# KiCad board Marble.kicad_pcb (continued)
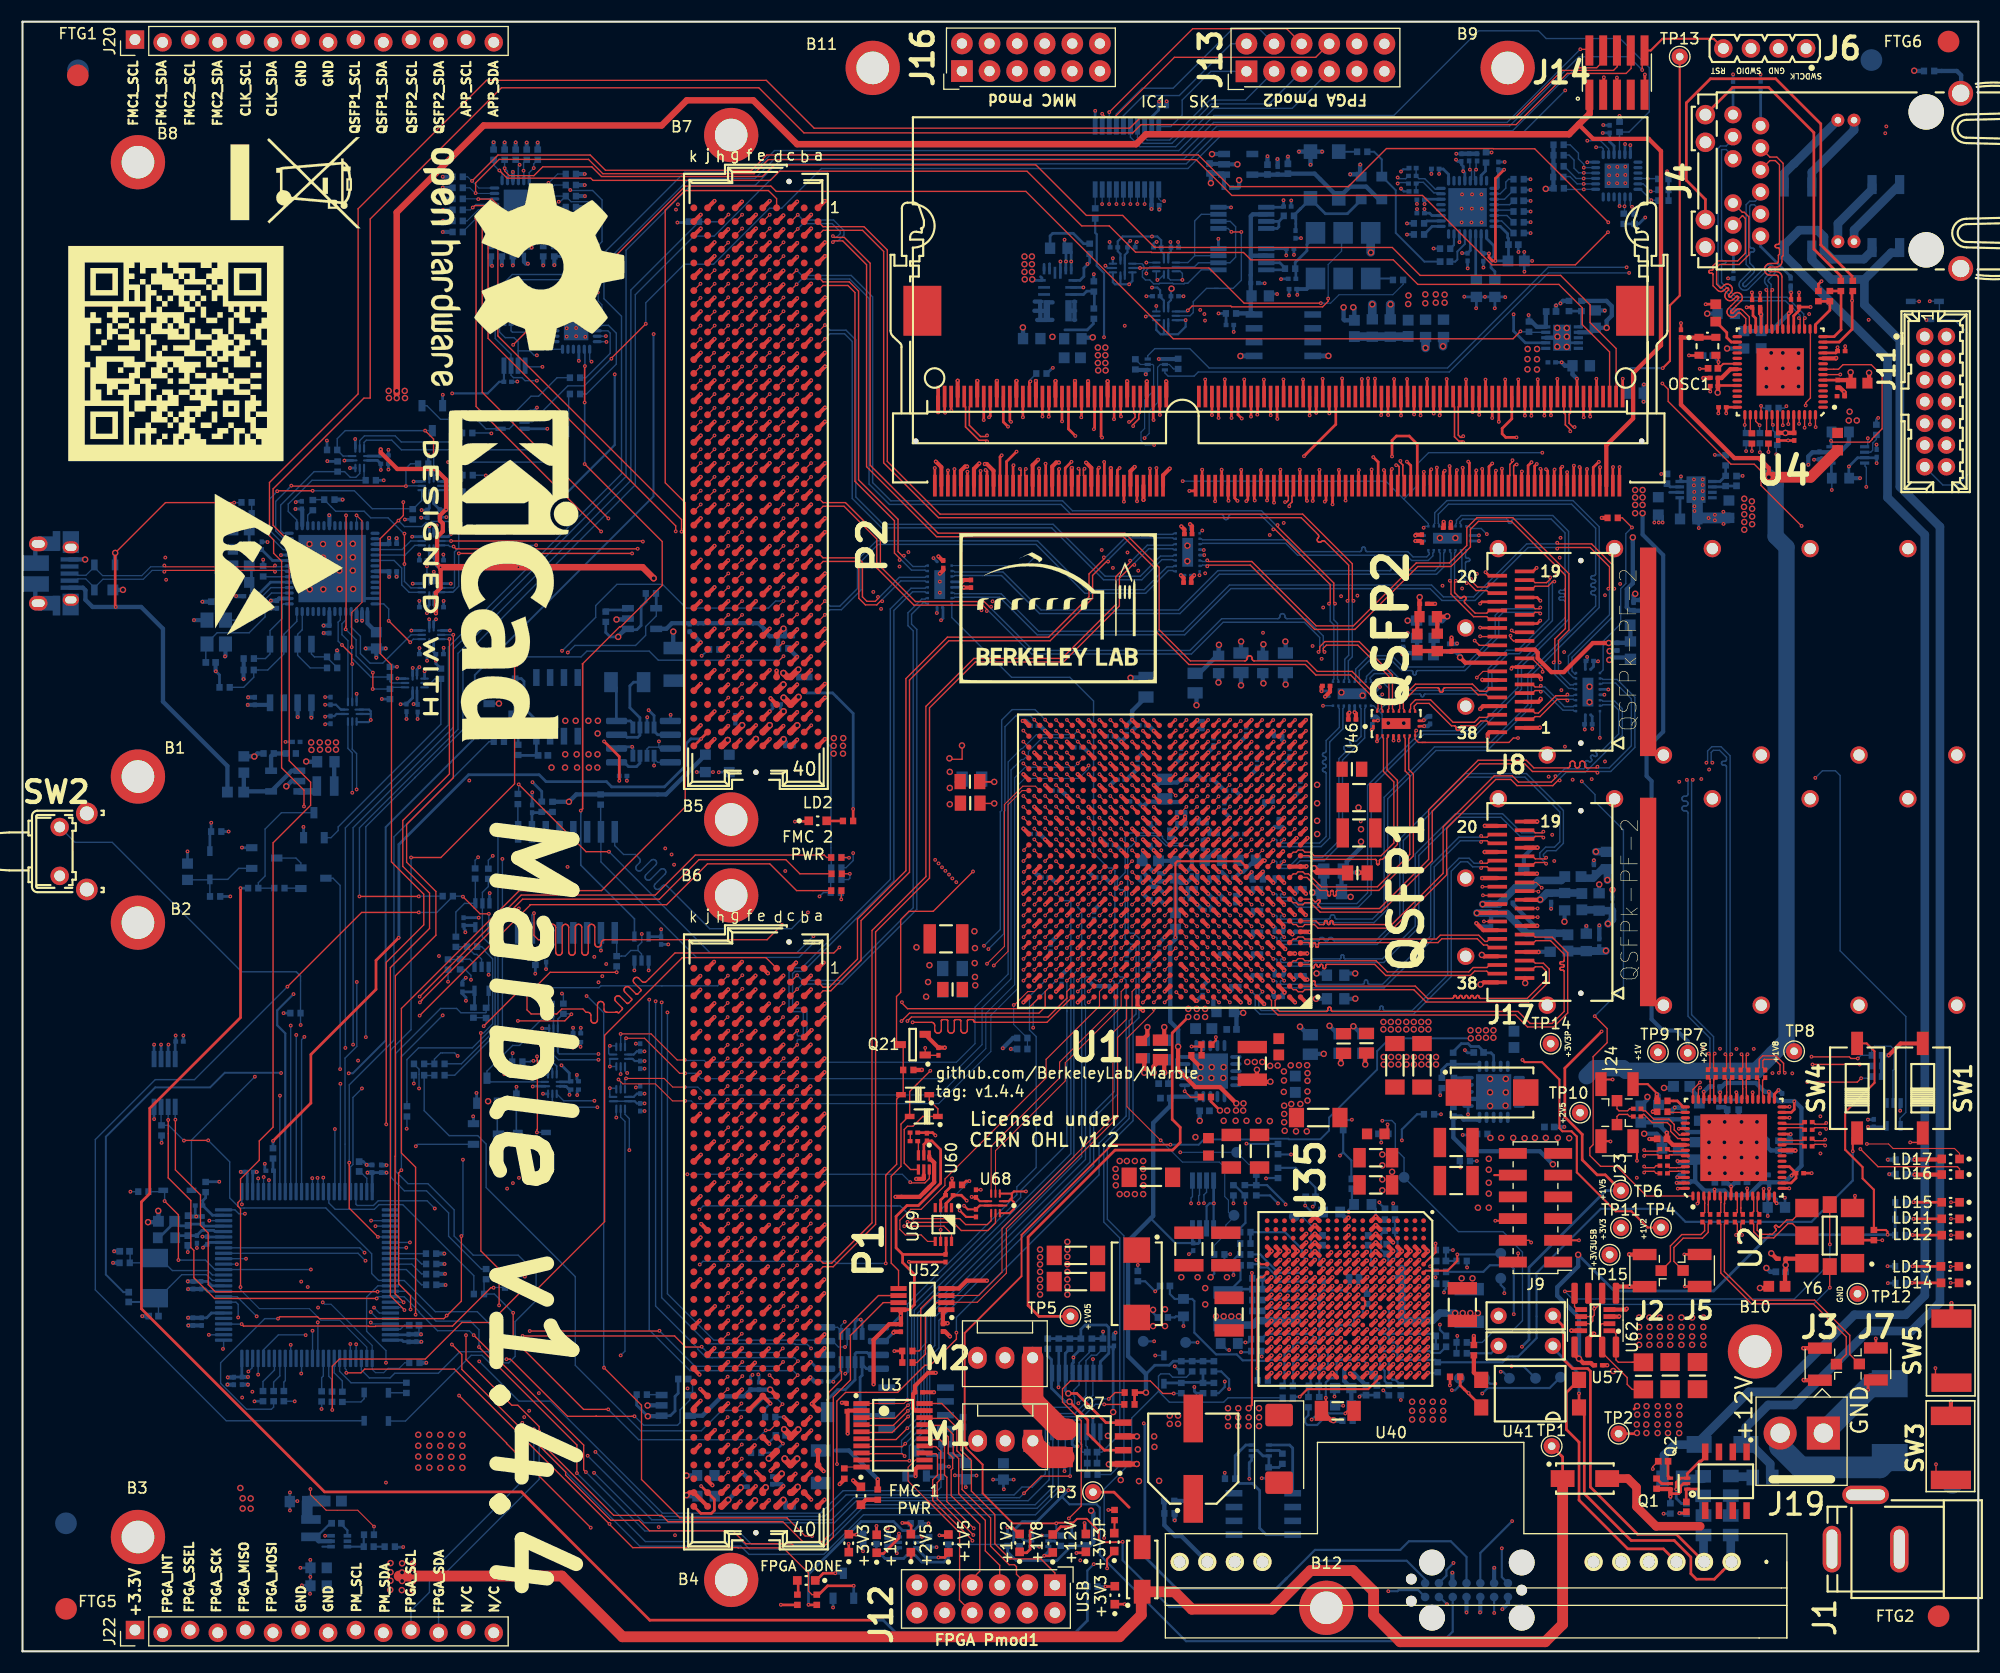
[diagram p0: board, top side]
## Routing (per net, layer and track width the routed paths; a pad name or vN(x,y) marks a point on that pad's centre or on a via; arc(x,y) is an arc through that point) (continued)
  Bottom w0.13: v1(144.95,81.42) 145.06,81.31 146.04,81.31 148.07,83.35 148.07,87.68 146.62,89.13 145.44,89.13 145.36,89.04 145.18,89.04
/FPGA/FPGA_MGT/MGT_TX_6_P: length 50.6
  Top w0.13: U1.K2 116.95,68.9 117.22,68.9 117.41,68.71 117.83,68.71 118.02,68.9 118.56,68.9 119.42,68.04 125.02,68.04 129.75,72.76 129.75,77.33 134.1,81.69 138.26,81.69 138.96,80.98 144.84,80.98 v1(144.95,80.87)
  Bottom w0.13: 145.18,89.54 145.36,89.54 145.44,89.46 146.75,89.46 148.4,87.82 148.4,83.21 146.17,80.98 145.06,80.98 v1(144.95,80.87)
/FPGA/FPGA_MGT/MGT_TX_7_N: length 46.3
  Top w0.13: v1(141.08,80.55) 141.08,80.39 140.7,80.01 137.68,80.01 137.11,80.59 135.45,80.59 130.75,75.88 130.75,71.61 126.03,66.89 120.74,66.89 120.71,66.89 120.68,66.9 120.66,66.92 120.64,66.94 120.62,66.97 120.61,66.99 120.61,67.02 120.61,67.13 120.6,67.16 120.59,67.19 120.58,67.22 120.56,67.24 120.53,67.25 120.51,67.26 120.48,67.26 120.45,67.26 120.42,67.25 120.4,67.24 120.38,67.22 120.36,67.19 120.35,67.16 120.35,67.13 120.35,67.02 120.34,66.99 120.33,66.97 120.32,66.94 120.3,66.92 120.27,66.9 120.25,66.89 120.22,66.89 120.19,66.89 120.16,66.9 120.14,66.92 120.12,66.94 120.1,66.97 120.09,66.99 120.09,67.02 120.09,67.13 120.08,67.16 120.07,67.19 120.06,67.22 120.04,67.24 120.01,67.25 119.99,67.26 119.96,67.26 119.93,67.26 119.9,67.25 119.88,67.24 119.86,67.22 119.84,67.19 119.83,67.16 119.83,67.13 119.83,67.02 119.82,66.99 119.81,66.97 119.8,66.94 119.78,66.92 119.75,66.9 119.73,66.89 119.7,66.89 119.37,66.89 119.04,67.23 U1.H1
  Bottom w0.13: 145.18,87.04 145.36,87.04 145.44,87.13 146.41,87.13 146.91,86.62 146.91,84.45 145.37,82.91 145.34,82.89 145.3,82.87 145.27,82.86 145.23,82.86 145.19,82.87 145.15,82.89 145.12,82.91 145.1,82.93 145.07,82.95 145.04,82.97 145,82.98 144.96,82.98 144.92,82.97 144.89,82.95 144.86,82.93 144.83,82.9 144.82,82.86 144.81,82.82 144.81,82.79 144.82,82.75 144.83,82.71 144.86,82.68 144.88,82.66 144.9,82.63 144.92,82.6 144.93,82.56 144.93,82.52 144.92,82.48 144.9,82.45 144.88,82.42 144.85,82.39 144.81,82.37 144.77,82.37 144.73,82.37 144.69,82.37 144.66,82.39 144.63,82.42 144.61,82.43 144.58,82.46 144.54,82.48 144.51,82.48 144.47,82.48 144.43,82.48 144.39,82.46 144.36,82.43 144.34,82.4 144.32,82.37 144.31,82.33 144.31,82.29 144.32,82.25 144.34,82.22 144.36,82.19 144.38,82.17 144.41,82.14 144.42,82.1 144.43,82.06 144.43,82.02 144.42,81.99 144.41,81.95 144.38,81.92 144.35,81.9 144.31,81.88 144.28,81.87 144.24,81.87 144.2,81.88 144.16,81.9 144.13,81.92 144.11,81.94 144.08,81.96 144.05,81.98 144.01,81.99 143.97,81.99 143.93,81.98 143.9,81.96 143.87,81.94 143.84,81.91 143.83,81.87 143.82,81.83 143.82,81.8 143.83,81.76 143.84,81.72 143.87,81.69 143.89,81.67 143.91,81.64 143.93,81.61 143.94,81.57 143.94,81.53 143.93,81.49 143.91,81.46 143.89,81.43 143.69,81.23 141.92,81.23 141.24,80.55 v1(141.08,80.55)
/FPGA/FPGA_MGT/MGT_TX_7_P: length 46.3
  Top w0.13: U1.H2 116.95,66.9 117.22,66.9 117.42,66.7 117.83,66.7 118.02,66.9 118.9,66.9 119.24,66.56 126.16,66.56 131.07,71.47 131.07,75.74 135.59,80.26 136.97,80.26 137.55,79.68 140.84,79.68 141.32,80.16 v1(141.47,80.16)
  Bottom w0.13: v1(141.47,80.16) 141.47,80.32 142.06,80.9 143.83,80.9 147.24,84.31 147.24,86.76 146.54,87.46 145.44,87.46 145.36,87.54 145.18,87.54
/FPGA/FPGA_PWR&MISC/FPGA_INIT: length 117.8
  Top w0.127: U1.G7 111.62,66.22 v1(112.09,65.75)
  In2.Cu w0.127: v1(112.09,65.75) 111.84,65.75 111.48,66.11 110.24,66.11 109.28,67.07 106.97,67.07 106.72,66.83 106.72,64.18 v1(107.09,63.81)
  In4.Cu w0.127: v1(46.92,72.02) 49.84,72.02 50,71.86 60.49,71.86 62.1,73.47 v1(76.45,73.47)
  In7.Cu w0.127: v1(46.92,72.02) 46.24,71.34 v1(46.24,34.48)
  In9.Cu w0.127: v1(107.09,63.81) 106.74,63.81 106.42,64.13 106.19,64.13 105.78,64.54 105.78,64.9 105.28,65.39 104.96,65.39 104.75,65.59 104.75,66.64 104.3,67.1 104.25,67.1 103.78,67.57 103.78,67.82 103.5,68.1 100.82,68.1 100.82,68.1 79.51,68.1 76.63,70.99 76.63,73.3 v1(76.45,73.47)
  Bottom w0.127: v1(76.45,73.47) 76.45,72.79 75.79,72.13 R282.1 ; R159.1 v1(46.24,34.48)
/FPGA/I2C_APP_3V3_SCL: length 113.4
  In2.Cu w0.127: v1(49.7,124.54) 49.7,125.84 58.59,134.74 67.82,134.74 70.2,137.13 91.79,137.13 94.26,139.59 144.32,139.59 144.83,139.08 v1(144.83,138.45)
  Bottom w0.127: v1(144.83,138.45) 145.34,138.45 145.48,138.3 U34.19 ; U59.2 44.96,121.55 45.08,121.43 46.81,121.43 47.39,122.01 47.39,123.61 48.32,124.54 v1(49.7,124.54) 49.7,124.66 U39.19
/FPGA/I2C_APP_3V3_SDA: length 111.4
  In2.Cu w0.127: v1(144.02,139.05) 95.11,139.05 92.64,136.58 70.24,136.58 68.02,134.36 59.15,134.36 50.2,125.4 v1(50.2,124.73)
  Bottom w0.127: U59.3 45.61,124.04 45.72,124.15 45.72,124.15 46.47,124.9 R28.2 49.59,125.34 v1(50.2,124.73) U39.20 50.2,124.28 ; U34.20 145.98,138.3 145.23,139.05 v1(144.02,139.05)
/FPGA/I2C_APP_SCL: length 282.7
  Top w0.127: 75.67,30.27 v1(75.67,30.33) ; v1(141.95,33.13) 142.67,33.13 U62.4 142.84,31.73 143.11,31.46 U57.5 ; 166.85,40.6 Y6.8 166.33,37.47 v1(166.34,37.46)
  In2.Cu w0.127: v1(47.34,116.96) 48.74,116.96 53.42,121.64 54.21,121.64 55.14,120.7 55.14,94.99 58.13,92 58.13,68.18 59.11,67.19 59.11,65.25 58.82,64.96 v1(58.82,59.73)
  In7.Cu w0.127: v1(49.35,133.43) 49.35,139.71 40.83,148.23 ; v1(75.67,30.33) 73.22,27.88 v1(72.57,27.88)
  In9.Cu w0.127: 105.3,25.67 105.39,25.67 ; 105.39,25.67 112.49,25.67 113.55,26.73 114.74,26.73 114.84,26.83 132.45,26.83 135.35,29.73 136.65,29.73 140.05,33.13 v1(141.95,33.13) ; 105.39,25.67 104.77,25.67 100.65,29.79 85.91,29.79 85.85,29.73 76.95,29.73 76.35,30.33 v1(75.67,30.33)
  Bottom w0.102: U5.15 48.69,133.69 48.94,133.95 R57.1
  Bottom w0.127: v1(166.34,37.46) 166.34,35.7 163.07,32.43 142.65,32.43 v1(141.95,33.13) ; v1(47.34,116.96) 46.25,116.96 45.97,117.24 45.18,117.24 44.96,117.46 U59.7 44.96,119.39 43.51,120.84 43.51,125.16 45.08,126.73 49.7,126.73 52.75,129.78 52.75,132.71 52.02,133.43 50.49,133.43 50,133.93 R57.1 49.48,133.43 v1(49.35,133.43) ; v1(72.57,27.88) 72.57,27.91 72.23,28.25 71.13,28.25 71.08,28.3 63.08,28.3 58.82,32.55 v1(58.82,59.73) ; U64.4 58.45,81.83 58.12,82.16 U32.5 v1(58.12,81.53) ; v1(75.67,30.33) 75.32,29.98 U17.5 75.32,29.51 75.01,29.82 U63.4
/FPGA/I2C_APP_SDA: length 278.5
  Top w0.127: v1(144.65,31.53) 144.75,31.53 145.39,32.17 145.39,32.96 ; v1(144.65,31.53) 144.65,31.73 144.11,32.27 U62.3 ; v1(144.65,31.53) 144.65,30.93 144.53,30.81 ; 166.34,35.43 Y6.7 166.33,33.48 v1(166.34,33.47) ; U57.7 144.28,30.16 144.53,30.41 144.53,30.81 ; 144.53,30.81 U57.6
  In2.Cu w0.127: v1(59.36,58.8) 59.36,63.92 60.17,64.74 60.17,67.05 58.57,68.65 58.57,92.37 55.53,95.41 55.53,120.95 54.41,122.07 53.38,122.07 50.6,119.29 v1(47.34,119.29)
  In7.Cu w0.127: 43.37,148.23 50.41,141.19 v1(50.41,134.51)
  In9.Cu w0.127: 141.55,32.43 141.65,32.43 ; 141.65,32.43 143.75,32.43 v1(144.65,31.53) ; 141.65,32.43 140.25,32.43 137.25,29.43 135.65,29.43 132.25,26.03 114.16,26.03 113.46,25.33 102.95,25.33 99.35,28.93 86.55,28.93 85.62,28.01 v1(75.7,28.01)
  Bottom w0.102: R75.1 48.97,134.97 48.19,134.19 U5.14
  Bottom w0.127: v1(47.34,119.29) 47.1,119.29 46.69,119.7 45.62,119.7 ; 45.62,119.7 45.61,120.54 45.23,120.92 44.42,120.92 43.9,121.44 43.9,125.05 45.11,126.25 49.83,126.25 53.34,129.76 53.34,133.59 52.47,134.47 50.48,134.47 50,134.95 R75.1 ; 45.62,119.7 U59.6 ; U17.6 75.9,29.14 75.9,28.21 v1(75.7,28.01) 75.1,28.01 74.56,28.55 U63.3 73.73,28.64 63.62,28.64 59.36,32.91 v1(59.36,58.8) ; v1(166.34,33.47) 164.8,31.93 145.05,31.93 v1(144.65,31.53) ; v1(58.57,83.76) 58.57,83.21 58.69,83.1 U64.3 59.49,83.23 57.65,83.23 57.47,83.06 U32.6
/FPGA/I2C_FPGA_SCL: length 226.4
  Top w0.127: U52.7 79.22,32.09 76.2,29.07 76.2,24.97 74.62,23.4 74.62,10.53 73.76,9.67 71.02,9.67 70.79,9.9 66.57,9.9 65.38,11.09 57.71,11.09 56.74,12.06 54.15,12.06 49.99,16.22 49.99,16.49 47.06,19.42 v1(47.06,20.44) 45.94,20.44 40.43,25.95 40.43,27.32 v1(39.52,28.24) ; v1(35.71,31.47) 35.71,32.73 34.62,33.82 34.62,44.04 v1(34.87,44.29)
  In2.Cu w0.127: v1(39.52,28.24) 36.29,31.47 v1(35.71,31.47) 30.24,25.99 28.01,25.99 25.05,23.03 v1(25.05,23.01)
  In7.Cu w0.127: v1(38.67,58.54) 38.67,60.07 36.13,62.61 36.13,85.54 36.02,85.65 36.02,86.71 37.57,88.27 37.57,94.35 36.88,95.04 36.88,104.04 39.93,107.08 39.93,121.86 45.81,127.75 45.81,129.52 46.93,130.65 48.51,130.65 v1(48.69,130.47)
  Bottom w0.102: R39.2 48.94,130.22 v1(48.69,130.47) 48.41,130.75 47.12,130.75 46.64,131.23 U5.19
  Bottom w0.127: 35.75,1.83 35.75,3.73 37.45,5.43 37.45,7.13 47.06,16.74 v1(47.06,20.44) ; R136.1 25.04,23.02 v1(25.05,23.01) ; v1(34.87,44.29) 34.87,54.74 v1(38.67,58.54)
/FPGA/I2C_FPGA_SDA: length 234.5
  Top w0.127: v1(40.81,29.1) 40.81,26.86 45.03,22.65 45.59,22.65 47.55,20.68 v1(47.55,20.23) 47.55,19.37 54.4,12.51 58.82,12.51 59.41,11.93 69.97,11.93 71.8,10.1 73.63,10.1 74.19,10.66 74.19,23.83 75.37,25.01 75.37,25.73 75.27,25.83 75.27,29.24 78.78,32.74 U52.6 ; v1(40.39,38.22) 40.39,32.23 38.78,30.62 27.33,30.62 27.15,30.79 23.69,30.79 v1(23.51,30.62)
  In2.Cu w0.127: v1(40.81,29.1) 39.04,30.88 v1(39.04,30.9)
  In7.Cu w0.127: v1(47.75,130.14) 47.75,127.9 40.61,120.76 40.61,105.49 38.39,103.27 38.39,100.79 38.82,100.37 38.82,99.62 38.42,99.22 38.42,65.33 37.61,64.53 37.61,61.97 39.32,60.26 39.32,56.89 40.54,55.67 v1(40.54,45.25)
  Bottom w0.102: R40.2 47.93,129.96 47.57,130.32 46.76,130.32 46.14,130.94 U5.20
  Bottom w0.127: v1(40.39,38.22) 40.54,38.37 v1(40.54,45.25) ; 47.8,130.09 v1(47.75,130.14) ; R135.1 23.11,22.48 22.91,22.28 20.62,22.28 18.23,24.67 18.23,26.56 22.29,30.62 v1(23.51,30.62) ; 38.29,1.83 38.29,6.57 47.55,15.83 v1(47.55,20.23)
/FPGA/I2C_Repeaters_RST: length 119.1
  Top w0.127: v1(83.55,53.43) 81.65,51.53 D9.2 81.55,49.23 80.85,48.53 80.85,44.63 79.95,43.73 79.95,35.73 80.63,35.05 U52.5
  In7.Cu w0.127: v1(47.85,118.23) 47.85,105.63 56.45,97.03 56.45,71.93 60.15,68.23 60.15,60.23 61.75,58.63 61.75,52.73 62.35,52.13 v1(62.35,50.93)
  In9.Cu w0.127: v1(62.35,50.93) 63.15,50.93 63.37,51.15 70.18,51.15 70.19,51.13 71.11,51.13 71.12,51.15 71.48,51.15 71.49,51.13 72.4,51.13 72.4,51.13 72.73,51.13 72.73,51.13 75.45,51.13 77.45,53.13 82.89,53.13 83.19,53.43 v1(83.55,53.43)
  Bottom w0.127: v1(47.85,118.23) 46.37,118.23 U59.5
/FPGA/QSFP1_INT: length 79.6
  Top w0.127: v1(134.41,69.59) 134.43,69.57 135.76,69.57
  In7.Cu w0.127: v1(149.86,134.38) 150.29,133.95 150.29,128.51 153.02,125.79 153.02,87.6 144.69,79.28 141.06,79.28 135.73,73.96 135.73,70.66 134.66,69.59 v1(134.41,69.59)
  Bottom w0.127: R304.1 150.41,134.38 v1(149.86,134.38) 149.17,135.07 U34.5
/FPGA/QSFP1_LPMODE: length 88.6
  Top w0.102: 135.76,67.17 134.51,67.17 v1(134.5,67.18)
  In7.Cu w0.127: v1(134.5,67.18) 139.56,67.18 139.95,67.55 139.95,68.44 139.68,68.72 139.46,68.72 139.06,69.12 139.06,70.63 139.77,71.34 140.92,71.34 141.7,72.13 141.7,73.24 145.21,76.75 146.89,76.75 154.33,84.19 154.33,102.07 154.84,102.58 154.84,105.38 155.16,105.7 155.16,109.01 154.99,109.18 154.99,116.99 155.04,117.04 155.04,118.31 154.53,118.81 154.53,126.89 151.86,129.56 151.86,134.46 150.77,135.56 v1(149.58,135.56)
  Bottom w0.127: R305.1 150.52,135.56 v1(149.58,135.56) 149.56,135.57 U34.4
/FPGA/QSFP1_MOD_PRS: length 77.4
  Top w0.127: 135.76,70.37 v1(134.36,70.37)
  In7.Cu w0.127: v1(149.91,133.57) 149.91,128.11 152.19,125.82 152.19,87.42 144.37,79.59 140.87,79.59 135.35,74.08 135.35,71.12 134.61,70.37 v1(134.36,70.37)
  Bottom w0.127: R303.1 150.52,133.57 v1(149.91,133.57) 148.91,134.57 U34.6
/FPGA/QSFP1_MOD_SEL: length 84.4
  Top w0.127: v1(139.45,67.58) 139.45,67.57 138.27,67.57
  In7.Cu w0.127: v1(139.45,67.58) 139.42,67.58 137.59,69.41 137.59,75.15 141.42,78.98 145.05,78.98 153.26,87.19 153.26,118.66 153.73,119.14 153.73,125.83 150.8,128.77 150.8,133.95 150.01,134.74 149.18,134.74 v1(147.44,133.01)
  Bottom w0.127: U34.8 147.48,133.05 v1(147.44,133.01) 147.44,132.4 R301.2
/FPGA/QSFP1_RST: length 88.2
  Top w0.127: 138.27,68.37 139.44,68.37 v1(139.44,68.38)
  In7.Cu w0.127: v1(148.13,132.96) 147.6,132.43 146.89,132.43 146.61,132.71 146.61,133.68 148.04,135.12 150.57,135.12 151.25,134.43 151.25,129.07 154.02,126.3 154.02,118.9 154.73,118.2 154.73,117.9 154.24,117.42 154.24,104.82 153.84,104.42 153.84,87.19 145.28,78.63 142.16,78.63 137.92,74.39 137.92,69.92 139.44,68.4 v1(139.44,68.38)
  Bottom w0.127: R302.2 148.13,132.57 v1(148.13,132.96) 147.98,133.11 U34.7
/FPGA/QSFP2_INT: length 52.5
  Top w0.127: J8.28 134.08,92.6 ; 134.08,92.6 134.05,92.63 ; 134.08,92.6 v1(133.65,93.03)
  In7.Cu w0.127: v1(133.65,93.03) 134.25,93.03 134.87,93.65 134.87,97.4 137.61,100.14 137.61,104.46 141.35,108.19 141.35,109.84 143.34,111.84 143.34,115.5 143.81,115.97 143.81,133.75 143.35,134.2 143.35,134.75 v1(143.68,135.07)
  Bottom w0.127: 141.84,135.75 142.41,135.75 143.09,135.07 v1(143.68,135.07) 143.68,135.07 U34.14
/FPGA/QSFP2_LPMODE: length 54.9
  Top w0.102: v1(133.85,89.63) 134.42,90.2 J8.31
  In7.Cu w0.127: v1(143.7,134.56) 144.37,133.89 144.37,116.42 144.65,116.14 144.65,112.33 142.44,110.12 142.44,108.97 142.5,108.91 142.5,108.17 138.25,103.91 138.25,94.03 v1(133.85,89.63)
  Bottom w0.127: U34.13 143.7,134.57 v1(143.7,134.56) 141.89,134.56 141.84,134.62
/FPGA/QSFP2_MOD_PRS: length 51.5
  Top w0.127: v1(134.15,93.43) 134.18,93.4 J8.27
  In7.Cu w0.127: 143.39,135.29 142.95,134.84 142.95,134.1 143.34,133.71 143.34,117.92 142.06,116.64 142.06,113.91 140.67,112.52 140.67,108.3 137.13,104.77 137.13,100.17 134.49,97.53 134.49,93.77 v1(134.15,93.43) ; v1(143.68,135.57) 143.34,135.23
  Bottom w0.127: U34.15 143.69,135.57 v1(143.68,135.57) 143,135.57 141.84,136.73 141.84,136.75
/FPGA/QSFP2_MOD_SEL: length 58.8
  Top w0.254: J8.8 137.09,90.6 137.03,90.54 v1(137.03,90.44)
  In7.Cu w0.127: v1(143.7,136.57) 145.23,135.03 145.23,118 145.62,117.62 145.62,111.78 144.34,110.5 144.34,108.29 142.15,106.1 142.15,95.13 140.24,93.22 140.24,90 140.06,89.82 137.65,89.82 v1(137.03,90.44)
  Bottom w0.127: 141.84,138.67 142.44,138.67 143.2,137.9 143.2,137.38 143.7,136.88 v1(143.7,136.57) U34.17
/FPGA/QSFP2_RST: length 56
  Top w0.127: v1(139.9,90.16) 139.9,90.41 138.91,91.4 J8.9
  In7.Cu w0.127: v1(139.9,90.16) 138.91,91.15 138.91,103.8 143.65,108.54 143.65,110.6 145.19,112.14 145.19,117.48 144.93,117.74 144.93,134.86 144.18,135.62 144.17,135.62 v1(143.7,136.09)
  Bottom w0.127: U34.16 143.71,136.07 v1(143.7,136.09) 143.23,136.09 142.79,136.52 142.79,137.27 142.34,137.73 141.84,137.73
/FPGA/SI570_OE: length 231.4
  Top w0.102: R32.2 170.4,37.84 v1(171.17,37.84)
  Top w0.254: R32.2 168.86,37.84 Y6.2
  In2.Cu w0.102: v1(52.94,125.09) 52.77,125.26 52.77,127.23 59.6,134.06 91.87,134.06 96.17,138.37 126.49,138.37 126.85,138 131.63,138 131.92,138.29 143.81,138.29 144.12,137.99 150.77,137.99 152.71,136.05 152.71,128.93 153.84,127.8 168.65,127.8 172.97,123.49 172.97,104.66 175.32,102.31 175.32,43.55 171.17,39.4 v1(171.17,37.84)
  Bottom w0.102: v1(52.94,125.09) 52.98,125.05 52.98,124.3 53.32,123.96 53.32,123.19 53.21,123.08 52.93,123.08 U39.1
/FPGA_RTS: length 98.9
  Top w0.102: v1(102.13,71.73) 102.62,71.24 U1.M16
  Top w0.127: v1(56.11,101.06) v1(40.15,101.06)
  In2.Cu w0.127: v1(59.15,73.9) 59.15,81.35 58.91,81.59 58.91,92.74 56.11,95.55 v1(56.11,101.06)
  In9.Cu w0.127: 92.08,69.35 101.28,69.35 101.5,69.56 101.5,71.1 v1(102.13,71.73) ; 92.08,69.35 91.95,69.35 ; 92.08,69.35 83.72,69.35 78.2,74.87 75.28,74.87 74.22,73.81 59.5,73.81 59.4,73.9 v1(59.15,73.9)
  Bottom w0.118: U15.5 39.54,97.48
  Bottom w0.127: 39.76,97.64 39.75,97.63 ; 39.76,97.64 40.15,98.03 40.15,101.05 v1(40.15,101.06) ; 39.76,97.64 39.6,97.48 39.45,97.48 ; 39.45,97.48 U15.5 ; 39.45,97.48 39.27,97.48
/FPGA_RxD: length 94.3
  Top w0.102: U1.K15 v1(103.12,68.73)
  Top w0.127: v1(56.61,101.49) 56.6,101.48 39.89,101.48 v1(39.67,101.69)
  In2.Cu w0.127: v1(59.74,73.35) 59.74,74.11 59.69,74.16 59.69,82.8 59.22,83.27 59.22,93.19 56.61,95.8 v1(56.61,101.49)
  In9.Cu w0.102: v1(103.12,68.73) 103.12,68.73
  In9.Cu w0.127: v1(103.12,68.73) 102.75,69.1 82.22,69.1 77.14,74.18 75.31,74.18 74.47,73.35 v1(59.74,73.35)
  Bottom w0.127: v1(39.67,101.69) 39.32,101.69 39.21,101.8 U38.5
/FPGA_TxD: length 100.5
  Top w0.11: U1.C16 v1(102.12,61.73)
  Top w0.127: v1(57.1,102.15) 57.05,102.2 v1(39.44,102.2)
  In2.Cu w0.127: v1(57.1,102.15) 57.1,96 59.64,93.46 59.64,86.91 60.14,86.4 60.14,72.58 v1(59.97,72.41)
  In9.Cu w0.11: v1(102.12,61.73) 102.48,62.09 102.48,66.9 102.28,67.1 90.66,67.1
  In9.Cu w0.127: 90.66,67.1 78.94,67.1 77.57,68.47 70.79,68.47 66.85,72.41 v1(59.97,72.41)
  Bottom w0.127: U38.4 v1(39.44,102.2)
/I2C_DDR3_SCL: length 118.3
  Top w0.127: v1(44.37,136.52) 44.37,136.27 44.81,135.83 47.06,135.83 47.88,136.64 52.4,136.64 53.29,135.75 68.09,135.75 69.16,136.82 93.27,136.82 97.91,132.17 101.25,132.17 104.18,129.24 106.27,129.24 106.29,129.22 126.06,129.22 128.63,126.65 141.56,126.65 144.27,123.94 144.27,122.32 146.67,119.92 SK1.202
  Bottom w0.127: R51.1 v1(44.37,136.52) 44.64,136.25 U5.8
/I2C_DDR3_SDA: length 117.1
  Top w0.127: SK1.200 146.07,119.6 143.56,122.11 143.56,123.66 141.4,125.82 128.42,125.82 126.16,128.08 113.05,128.08 112.38,128.76 103.92,128.76 103.88,128.79 102.44,128.79 100.02,131.21 97.48,131.21 92.45,136.24 69.67,136.24 68.83,135.4 52.5,135.4 52.3,135.6 44.6,135.6 v1(43.89,136.31)
  Bottom w0.127: 43.89,136.29 43.35,136.82 R52.1 ; 43.89,136.29 44.14,136.04 U5.7 ; 43.89,136.29 v1(43.89,136.31)
/I2C_MUX/I2C_CLK_SCL: length 274.2
  Top w0.127: U2.48 153.74,51.72 v1(154.38,52.36) ; v1(41.37,135.34) 43.76,137.73 52.25,137.73 53.65,136.33 67.09,136.33 68.5,137.73 108.22,137.73 111.13,134.82 122.03,134.82 125.53,138.33 135.36,138.33 135.37,138.31 139.18,138.31 v1(145.95,131.54)
  In2.Cu w0.127: v1(145.95,131.54) 149.43,131.54 153.79,127.17 168.36,127.17 172.39,123.14 172.39,47.01 170.3,44.92 162.96,44.92 159.62,48.26 156.4,48.26 153.74,50.92 153.74,51.72 v1(154.38,52.36)
  In7.Cu w0.127: v1(41.37,135.34) 41.37,136.81 35.45,142.73 26.01,142.73 20.51,148.23
  Bottom w0.102: U5.6 42,134.69 40.97,135.73 R49.1
/I2C_MUX/I2C_CLK_SDA: length 269.4
  Top w0.127: v1(145.92,130.62) 142.92,127.62 135.23,127.62 128.85,134.01 111.31,134.01 108.01,137.3 68.63,137.3 67.33,136.01 53.41,136.01 52.09,137.33 43.87,137.33 41.7,135.17 v1(41.7,134.23) ; U2.47 154.24,51.72 v1(154.4,51.88)
  In2.Cu w0.127: v1(154.4,51.88) 154.23,51.71 154.23,50.97 155.39,49.8 160.02,49.8 164.33,45.49 169.45,45.49 172.1,48.14 172.1,79.03 172.06,79.07 172.06,122.62 167.96,126.72 152.92,126.72 149.02,130.62 v1(145.92,130.62)
  In7.Cu w0.127: v1(41.7,134.23) 41.73,134.26 41.73,137.7 36,143.43 27.85,143.43 23.05,148.23
  Bottom w0.102: R50.1 41.17,134.71 41.69,134.19 U5.5
/I2C_MUX/QSFP1_SCL: length 216.1
  Top w0.102: v1(139.52,69.93) 139.47,69.97 138.27,69.97
  In4.Cu w0.102: v1(46.11,136.29) 47.94,134.46 48.54,134.46 50.57,136.49 57.02,136.49 v1(60.32,133.19)
  In7.Cu w0.102: v1(60.32,133.19) 60.5,133.01 72.59,133.01 75.54,135.96 79.72,135.96 83.2,139.43 149.38,139.43 152.73,136.08 152.73,129.67 157.55,124.84 157.55,110.87 157.26,110.58 157.26,102.9 157.79,102.37 157.79,96.73 155.97,94.87 155.97,84.46 146.89,75.38 145.23,75.38 143.06,73.2 143.06,71.78 141.2,69.93 v1(139.52,69.93)
  In7.Cu w0.127: v1(46.11,136.29) 45.59,136.29 45.35,136.53 45.35,136.73 43.85,138.23 43.85,138.92 38.64,144.13 34.77,144.13 30.67,148.23
  Bottom w0.102: 46.14,136.4 46.14,136.27 46.13,136.27 v1(46.11,136.29)
  Bottom w0.127: U5.11 46.14,136.26 v1(46.11,136.29) 46.11,137 R53.1
/I2C_MUX/QSFP1_SDA: length 212.6
  Top w0.102: v1(139.82,70.28) 139.33,70.77 138.27,70.77
  In4.Cu w0.102: v1(60.14,132.71) 57.44,135.41 50.3,135.41 48.9,134.01 47.87,134.01 45.75,136.13 v1(45.75,136.83)
  In7.Cu w0.102: v1(139.82,70.28) 140,70.46 141.28,70.46 142.43,71.61 142.43,73.36 144.98,75.91 146.76,75.91 155.42,84.6 155.42,95.24 157.08,96.88 157.07,96.89 157.07,102.14 156.15,103.05 156.15,112.04 156.47,112.36 156.47,119.66 155.67,120.46 155.67,126.28 152.27,129.68 152.27,135.83 150.14,137.96 135.69,137.96 134.99,138.67 83.36,138.67 80.01,135.33 76.58,135.33 73.96,132.71 v1(60.14,132.71)
  In7.Cu w0.127: v1(45.75,136.83) 45.75,137.53 44.95,138.33 44.95,138.93 39.15,144.73 36.71,144.73 33.21,148.23
  Bottom w0.127: U5.10 45.64,135.94 ; 45.64,135.94 45.64,136.52 ; 45.64,135.94 45.64,136.72 v1(45.75,136.83) 45.75,136.93 R54.1
/I2C_MUX/QSFP2_SCL: length 185.2
  Top w0.127: v1(136.95,93.49) 136.95,93.26 137.22,93 J8.11
  In4.Cu w0.102: v1(48.41,135.17) 50.4,137.16 60.74,137.16 61.84,136.06 68.02,136.06 70.65,138.69 81.49,138.69 81.59,138.79 125.5,138.79 128.2,141.49 145.61,141.49 147.59,139.51 148.94,139.51 151.69,136.77 151.69,116.6 147.6,112.51 147.6,112.31 ; v1(136.95,93.49) 136.65,93.79 136.65,94.15 ; 142.1,95.21 144.83,97.93 144.83,101.21
  In4.Cu w0.112: 142.1,95.21 141.17,94.27 138.54,94.27 138.51,94.3 136.8,94.3 136.65,94.15 ; 147.6,112.31 147.6,108.98 144.6,105.98 144.6,101.44 144.83,101.21
  In7.Cu w0.127: v1(48.41,135.17) 48.35,135.23 47.65,135.23 46.62,136.26 46.62,138.06 46.04,138.64 46.04,138.74 38.65,146.13 37.85,146.13 35.75,148.23
  Bottom w0.102: R55.1 49.25,135.98 47.96,134.69 U5.13
/I2C_MUX/QSFP2_SDA: length 181.6
  Top w0.127: v1(137.06,93.97) 137.06,93.96 137.22,93.8 J8.12
  In4.Cu w0.102: v1(47.05,136.53) 48.15,137.63 60.88,137.63 62.06,136.46 67.81,136.46 70.88,139.53 124.38,139.53 126.92,142.07 147.15,142.07 152.29,136.93 152.29,106.97 149.3,103.98 149.3,102.41 145.41,98.52 145.41,97.7 141.68,93.97 v1(137.06,93.97)
  In7.Cu w0.127: v1(47.05,136.53) 46.85,136.73 46.85,139.67 38.29,148.23
  Bottom w0.102: 46.63,135.58 46.64,135.57 U5.12
  Bottom w0.127: R56.1 47.05,136.92 v1(47.05,136.53) 46.63,136.11 46.63,135.4 U5.12
/JTAG/FMC1_TDI_R: length 2.9
  Bottom w0.127: U10.1 41.6,63.28 41.17,63.71 R277.2 40.26,63.68 R237.2
/JTAG/FMC1_TDO_R: length 3.6
  Bottom w0.127: R238.2 40.88,64.84 R278.2 40.9,64.84 41.59,64.15 41.81,64.15 42.25,63.71 U10.2
/JTAG/FMC2_TDI_R: length 6.7
  Bottom w0.127: R238.1 39.89,68.05 40.68,68.84 U7.1 41.68,71.1 R279.2
/JTAG/FMC2_TDO_R: length 27.9
  Bottom w0.127: 42.85,71.1 R280.2 42.87,70.4 42.33,69.85 U7.2 42.33,65.76 43.49,64.6 43.49,57.64 41.4,55.54 36.45,55.54 35.38,54.47 R275.1
/JTAG/FPGA_TCK: length 69.3
  Top w0.102: U1.L8 v1(111.12,69.73)
  In2.Cu w0.127: v1(85.94,70.8) 86.62,70.12 93.53,70.12 93.54,70.11 104.94,70.11 104.98,70.14 110.71,70.14 v1(111.12,69.73)
  In4.Cu w0.127: v1(85.94,70.8) 83.88,68.74 78.62,68.74 76.41,66.53 69.79,66.53 67.98,64.72 53.52,64.72 53.4,64.85 51.65,64.85 50.85,64.05 50.85,62.53 49.65,61.32 v1(49.65,60.54)
  Bottom w0.127: v1(49.65,60.54) 49.78,60.41 R229.1
/JTAG/FPGA_TDI: length 75.6
  Top w0.102: U1.R6 v1(113.12,74.73)
  In2.Cu w0.127: v1(84.94,71.84) 84.96,71.86 86.18,71.86 86.44,72.12 91.64,72.12 91.64,72.12 97.28,72.12 97.3,72.1 100.63,72.1 100.9,72.36 108.99,72.36 109.97,73.35 111.24,73.35 112.62,74.73 v1(113.12,74.73)
  In4.Cu w0.127: v1(47.78,59.46) 47.78,61.26 49.6,63.08 49.6,64.86 51.11,66.37 57.16,66.37 57.41,66.12 67.56,66.12 71.47,70.03 83.14,70.03 v1(84.94,71.84)
  Bottom w0.127: v1(47.78,59.46) 47.91,59.59 R215.1
/JTAG/FPGA_TDO: length 82.9
  Top w0.102: U1.R7 v1(112.12,74.73)
  In2.Cu w0.127: v1(112.12,74.73) 111.49,74.1 109.98,74.1 108.76,72.88 102.51,72.88 102.3,73.1 101.12,73.1 100.39,72.36 85.62,72.36 85.45,72.2 84.66,72.2 v1(84.63,72.16)
  In4.Cu w0.127: 70,69.23 69.95,69.18 ; 70,69.23 71.52,70.74 83.21,70.74 v1(84.63,72.16) ; 70,69.23 67.57,66.79 67.48,66.79 67.47,66.8 50.43,66.8 49.2,65.57 48.23,64.61 44.76,61.14 44.76,53.54 v1(44.35,53.13)
  Bottom w0.102: R216.1 v1(44.35,53.13)
/JTAG/FPGA_TMS: length 77.7
  Top w0.127: U1.N8 110.62,72.23 v1(111.13,71.72)
  In2.Cu w0.127: v1(111.13,71.72) 111.12,71.72 110.48,71.07 101.8,71.07 101.5,70.77 101.5,70.57 101.31,70.38 99.31,70.38 99.3,70.36 94.66,70.36 94.69,70.35 94.68,70.34 93.86,70.34 93.83,70.36 87.13,70.36 86.36,71.14 v1(85.58,71.14)
  In4.Cu w0.127: v1(85.58,71.14) 83.67,69.23 76.84,69.23 75.97,68.37 72.96,68.37 72.95,68.35 70.67,68.35 67.89,65.57 51.43,65.57 50.29,64.43 50.29,62.78 48.38,60.87 48.38,59.45 45.11,56.18 v1(45.11,55.06)
  Bottom w0.127: R228.1 45.07,55.02 v1(45.11,55.06)
/JTAG/JTAG_TCK: length 240.5
  Top w0.127: v1(50.52,58.64) 49.91,58.03 v1(45.59,58.03)
  In7.Cu w0.127: J11.6 178.2,118.16 178.2,122.27 176.72,123.75 173.95,123.75 171.07,126.63 171.07,132.63 160.22,143.48 151.76,143.48 149.12,140.84 82.24,140.84 78.74,137.33 70.51,137.33 67.82,134.64 58.32,134.64 44.22,120.54 v1(44.22,106.75) 51.43,99.53 51.43,91.18 44.64,84.38 44.64,59.13 44.62,59.12 44.62,58.99 v1(45.59,58.03)
  Bottom w0.127: v1(50.52,58.64) 50.48,58.68 R229.2 ; R230.2 44.21,106.73 v1(44.22,106.75)
  Bottom w0.15: R229.2 49.76,58.68 49.27,58.18 U8.5
/JTAG/JTAG_TDI: length 248.2
  GND5.Cu w0.127: v1(42.64,108.23) 42.62,108.26
  In7.Cu w0.127: J11.10 179.05,115.01 179.05,123.33 177.05,125.34 174.9,125.34 172.34,127.9 172.34,133.49 161.24,144.59 150.24,144.59 148.64,142.99 142.26,142.98 141.48,142.19 129.54,142.19 128.74,142.99 105.49,142.99 105.47,143.01 105.14,143.01 105.12,142.99 81.97,142.99 77.9,138.92 69.94,138.92 67.08,136.06 57.88,136.06 49.06,127.23 48.75,127.23 42.64,121.12 v1(42.64,108.23) 42.64,107.13 43.91,105.86 43.91,105.76 50.53,99.14 50.53,91.31 43.42,84.21 43.42,75.04 43.62,74.84 43.62,57.92 v1(44.42,57.12)
  Bottom w0.127: v1(44.42,57.12) 46.72,57.12 48.25,58.65 R215.2 ; v1(42.64,108.23) 42.62,108.26 R231.2
  Bottom w0.15: U8.4 48.87,58.47 R215.2
